# KiCad board led_mapper_850_mirrored.kicad_pcb (continued)
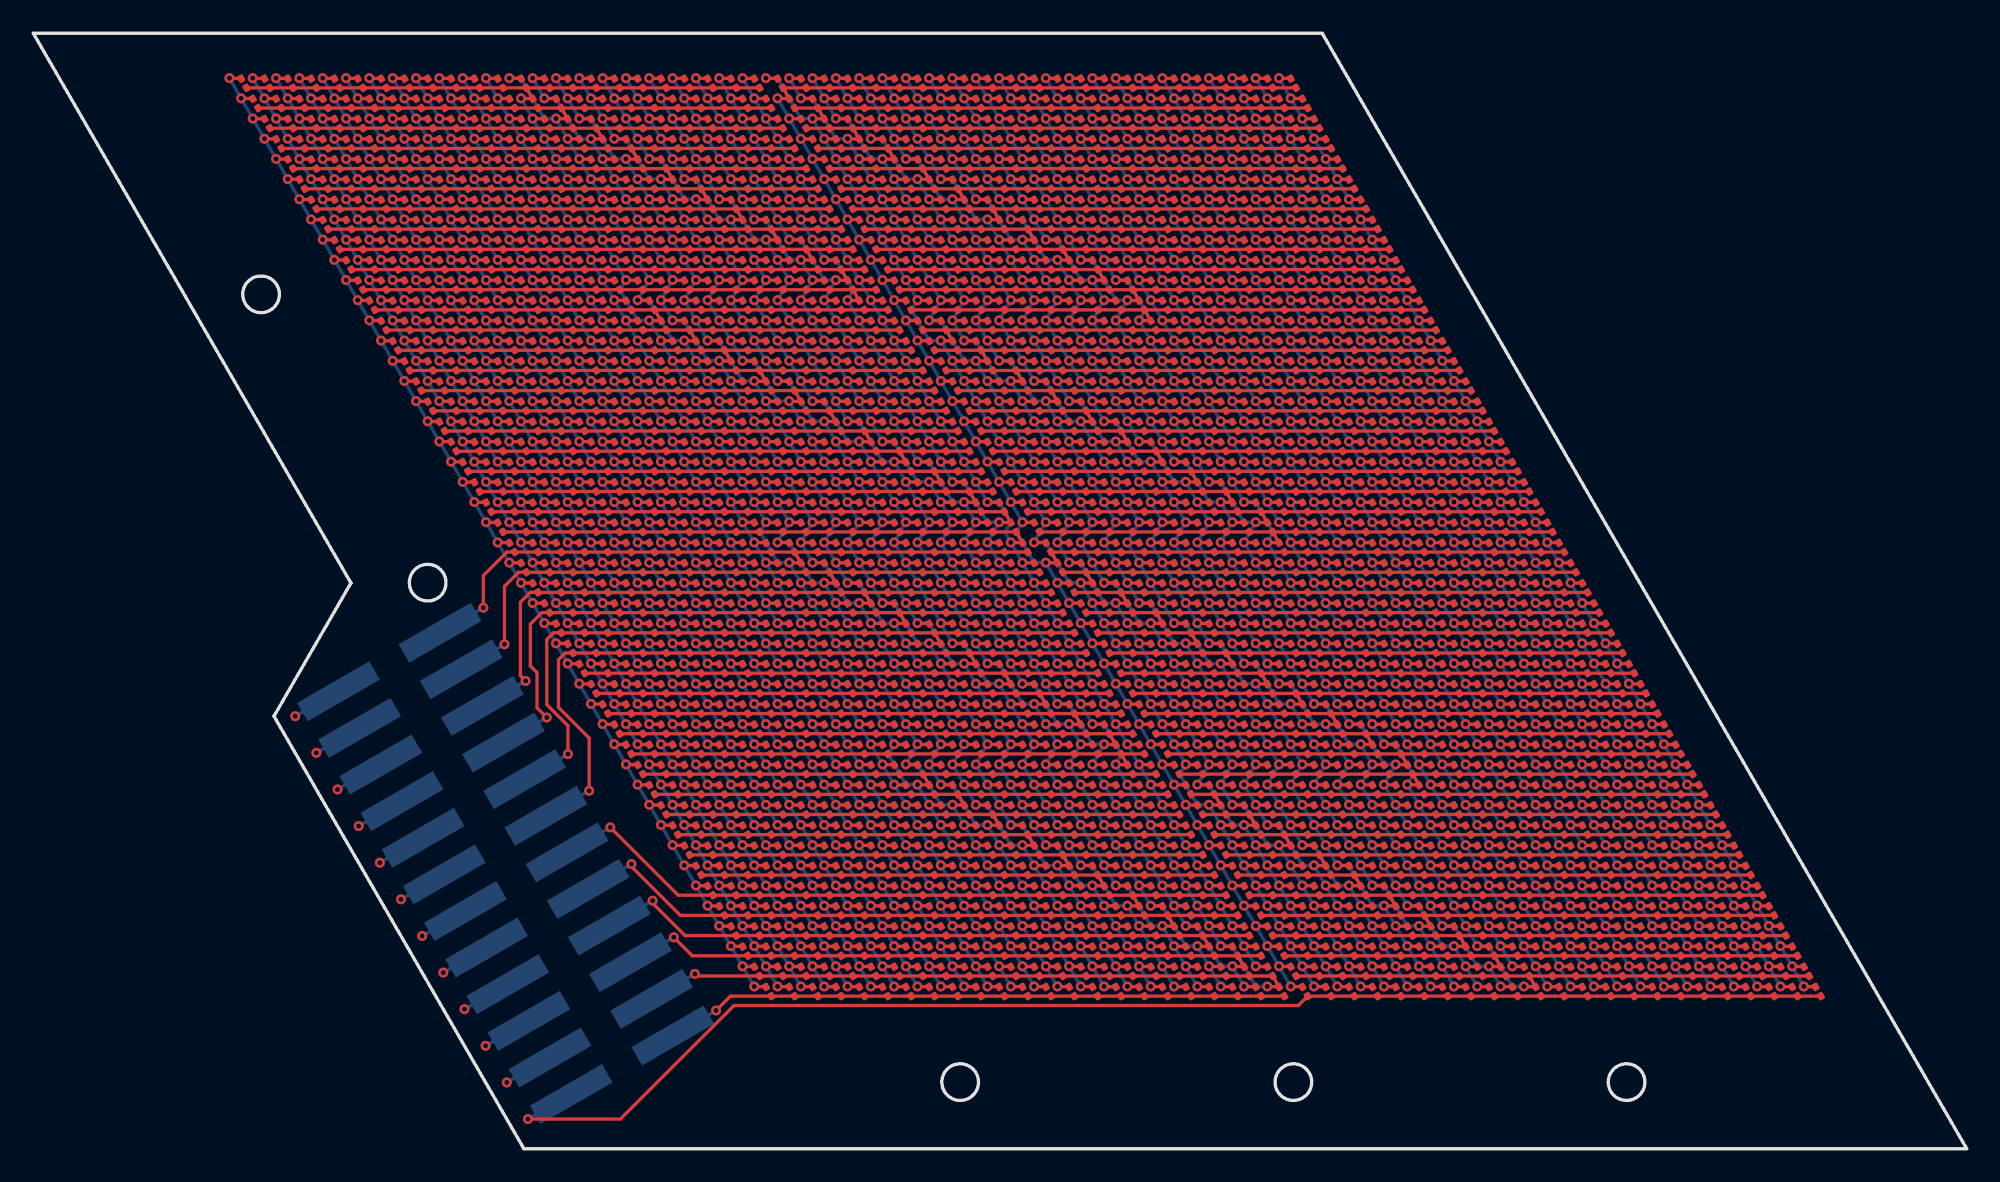
[diagram p0: board, top side]
## Routing (per net, layer and track width the routed paths; a pad name or vN(x,y) marks a point on that pad's centre or on a via; arc(x,y) is an arc through that point) (continued)
  In2.Cu w0.2: v1(57.27,36.42) 57.62,37.03 89.12,37.03 v1(89.47,36.42)
  Bottom w0.2: v1(41.17,64.31) v1(47.47,53.39) 48.17,53.39 49.22,51.58 v1(48.87,50.97) v1(55.17,40.06) 55.87,40.06 57.27,37.63 v1(57.97,37.63) v1(57.27,36.42) v1(63.57,25.51) 64.27,25.51 65.32,23.69 v1(64.97,23.08) v1(71.27,12.17) 71.97,12.17 73.37,9.75 v1(74.07,9.75) ; J1.14 v1(39.71,10.5) ; v1(73.37,64.31) v1(104.87,9.75)
/P3: length 359.1
  Top w0.2: D1769.2 v1(101.37,13.38) ; D643.1 D597.2 v1(55.87,38.84) ; D1337.2 v1(92.27,29.15) ; D49.2 v1(72.67,63.09) ; D3.2 v1(71.97,64.31) ; D1291.2 v1(91.57,30.36) ; D1884.2 v1(67.07,17.02) ; D394.2 v1(45.37,54.61) ; D95.2 v1(73.37,61.88) ; D1383.2 v1(92.97,27.93) ; D2114.2 v1(63.57,23.08) ; D1677.2 v1(102.77,10.96) ; v1(71.97,10.96) D1655.2 D1701.1 ; D2068.2 v1(64.27,21.87) ; D872.2 v1(50.27,46.12) ; D1496.1 D1518.1 ; D573.2 v1(87.37,37.63) ; D826.2 v1(50.97,44.91) ; D1702.1 D1680.1 39.55,11.59 v1(38.44,12.7) ; D187.2 v1(74.77,59.46) ; D551.2 v1(56.57,37.63) ; D1222.2 v1(57.97,32.78) ; D803.2 v1(83.87,43.69) ; D463.2 v1(78.97,52.18) ; v1(48.17,52.18) D485.2 D439.1 ; D164.2 v1(41.87,60.67) ; D1609.2 v1(72.67,9.75) ; D1429.2 v1(93.67,26.72) ; D1033.2 v1(80.37,49.76) ; D417.2 v1(78.27,53.39) ; D1953.2 v1(98.57,18.23) ; D279.2 v1(76.17,57.03) ; D849.2 v1(83.17,44.91) ; D964.2 v1(48.87,48.54) ; D895.2 v1(82.47,46.12) ; D987.2 v1(81.07,48.54) ; D1475.2 v1(94.37,25.51) ; D72.2 v1(40.47,63.09) ; D118.2 v1(41.17,61.88) ; D941.2 v1(81.77,47.33) ; D1314.2 v1(59.37,30.36) ; D1130.2 v1(56.57,35.21) ; D780.2 v1(51.67,43.69) ; D1452.2 v1(61.47,26.72) ; D438.1 D460.1 ; D1245.2 v1(90.87,31.57) ; D1056.2 v1(47.47,50.97) ; D918.2 v1(49.57,47.33) ; D711.2 v1(85.27,41.27) ; D1153.2 v1(89.47,33.99) ; D141.2 v1(74.07,60.67) ; D1268.2 v1(58.67,31.57) ; D1061.2 v1(88.07,36.42) ; D1567.2 v1(95.77,23.08) ; D302.2 v1(43.97,57.03) ; D1930.2 v1(66.37,18.23) ; D1815.2 v1(100.67,14.6) ; D1010.2 v1(48.17,49.76) ; D26.2 v1(39.77,64.31) ; D1976.2 v1(65.67,19.45) ; D1360.2 v1(60.07,29.15) ; D1907.2 v1(99.27,17.02) ; D348.2 v1(44.67,55.82) ; D1521.2 v1(95.07,24.3) ; D210.2 v1(42.57,59.46) ; D325.2 v1(76.87,55.82) ; D2045.2 v1(97.17,20.66) ; D757.2 v1(84.57,42.48) ; D622.1 D644.1 ; D1084.2 v1(55.87,36.42) ; D665.2 v1(85.97,40.06) ; D619.2 v1(86.67,38.84) ; D1838.2 v1(67.77,15.81) ; D256.2 v1(43.27,58.24) ; D1792.2 v1(68.47,14.6) ; D1746.2 v1(69.17,13.38) ; D1861.2 v1(99.97,15.81) ; D1406.2 v1(60.77,27.93) ; D371.2 v1(77.57,54.61) ; D233.2 v1(75.47,58.24) ; D688.2 v1(53.07,41.27) ; D2091.2 v1(96.47,21.87) ; D1107.2 v1(88.77,35.21) ; v1(64.27,24.3) D1543.2 D1497.1 ; D509.2 v1(79.67,50.97) ; D1723.2 v1(102.07,12.17) ; D734.2 v1(52.37,42.48) ; D1199.2 v1(90.17,32.78) ; D1176.2 v1(57.27,33.99) ; D1631.2 v1(103.47,9.75) ; D2022.2 v1(64.97,20.66) ; D1999.2 v1(97.87,19.45)
  In2.Cu w0.2: v1(56.57,37.63) 56.92,38.24 87.02,38.24 v1(87.37,37.63)
  Bottom w0.2: J1.15 v1(38.44,12.7) ; v1(71.97,64.31) v1(103.47,9.75) ; v1(39.77,64.31) v1(45.37,54.61) 46.07,54.61 47.47,52.18 v1(48.17,52.18) v1(47.47,50.97) v1(53.07,41.27) 53.77,41.27 55.17,38.84 v1(55.87,38.84) v1(56.57,37.63) v1(55.87,36.42) v1(61.47,26.72) 62.17,26.72 63.57,24.3 v1(64.27,24.3) v1(63.57,23.08) v1(69.17,13.38) 69.87,13.38 71.27,10.96 v1(71.97,10.96) v1(72.67,9.75)
/P4: length 360.1
  Top w0.2: v1(69.87,12.17) D1700.2 D1746.1 ; D1791.2 v1(67.07,14.6) ; D802.2 v1(82.47,43.69) ; D779.2 v1(50.27,43.69) ; D894.2 v1(81.07,46.12) ; D572.2 v1(85.97,37.63) ; D1450.1 D1472.1 ; D825.2 v1(49.57,44.91) ; D1177.2 v1(55.87,33.99) ; D940.2 v1(80.37,47.33) ; D1975.2 v1(64.27,19.45) ; v1(37.17,14.9) 37.17,14.75 39.12,12.8 D1726.1 D1748.1 ; D1768.2 v1(99.97,13.38) ; D2113.2 v1(62.17,23.08) ; D917.2 v1(48.17,47.33) ; D326.2 v1(75.47,55.82) ; D1009.2 v1(46.77,49.76) ; D1085.2 v1(54.47,36.42) ; D1154.2 v1(88.07,33.99) ; D1384.2 v1(91.57,27.93) ; D303.2 v1(42.57,57.03) ; D1200.2 v1(88.77,32.78) ; D50.2 v1(71.27,63.09) ; D1055.2 v1(46.07,50.97) ; D188.2 v1(73.37,59.46) ; D486.2 v1(46.77,52.18) ; D1998.2 v1(96.47,19.45) ; D73.2 v1(39.07,63.09) ; D257.2 v1(41.87,58.24) ; D1544.2 v1(62.87,24.3) ; D963.2 v1(47.47,48.54) ; D234.2 v1(74.07,58.24) ; D1568.2 v1(94.37,23.08) ; D733.2 v1(50.97,42.48) ; D1338.2 v1(90.87,29.15) ; v1(46.07,53.39) D440.2 D394.1 ; D27.2 v1(38.37,64.31) ; D418.2 v1(76.87,53.39) ; v1(53.77,40.06) D642.2 D688.1 ; D710.2 v1(83.87,41.27) ; D4.2 v1(70.57,64.31) ; D1608.2 v1(71.27,9.75) ; D165.2 v1(40.47,60.67) ; D1246.2 v1(89.47,31.57) ; D349.2 v1(43.27,55.82) ; D550.2 v1(55.17,37.63) ; D372.2 v1(76.17,54.61) ; D211.2 v1(41.17,59.46) ; D142.2 v1(72.67,60.67) ; D96.2 v1(71.97,61.88) ; D1108.2 v1(87.37,35.21) ; D1476.2 v1(92.97,25.51) ; D1522.2 v1(93.67,24.3) ; D756.2 v1(83.17,42.48) ; D1906.2 v1(97.87,17.02) ; D1452.1 D1498.2 v1(62.17,25.51) ; D664.2 v1(84.57,40.06) ; D1630.2 v1(102.07,9.75) ; D2021.2 v1(63.57,20.66) ; D618.2 v1(85.27,38.84) ; D668.1 D690.1 ; D1929.2 v1(64.97,18.23) ; D1131.2 v1(55.17,35.21) ; D1032.2 v1(78.97,49.76) ; D1676.2 v1(101.37,10.96) ; D1860.2 v1(98.57,15.81) ; D464.2 v1(77.57,52.18) ; D119.2 v1(39.77,61.88) ; D871.2 v1(48.87,46.12) ; D1722.2 v1(100.67,12.17) ; D1407.2 v1(59.37,27.93) ; D1292.2 v1(90.17,30.36) ; D2044.2 v1(95.77,20.66) ; D1654.2 v1(70.57,10.96) ; D392.1 D414.1 ; D1223.2 v1(56.57,32.78) ; D986.2 v1(79.67,48.54) ; D1269.2 v1(57.27,31.57) ; D596.2 v1(54.47,38.84) ; D1361.2 v1(58.67,29.15) ; D2090.2 v1(95.07,21.87) ; D1883.2 v1(65.67,17.02) ; D1814.2 v1(99.27,14.6) ; D1062.2 v1(86.67,36.42) ; D510.2 v1(78.27,50.97) ; D280.2 v1(74.77,57.03) ; D1315.2 v1(57.97,30.36) ; D1952.2 v1(97.17,18.23) ; D848.2 v1(81.77,44.91) ; D1430.2 v1(92.27,26.72) ; D2067.2 v1(62.87,21.87) ; D1837.2 v1(66.37,15.81)
  In2.Cu w0.2: v1(85.27,38.84) 84.92,39.45 54.82,39.45 v1(54.47,38.84)
  Bottom w0.2: v1(70.57,64.31) v1(102.07,9.75) ; v1(38.37,64.31) v1(43.27,55.82) 43.97,55.82 45.37,53.39 v1(46.07,53.39) v1(46.77,52.18) v1(46.07,50.97) v1(50.97,42.48) 51.67,42.48 53.07,40.06 v1(53.77,40.06) v1(55.17,37.63) v1(54.47,36.42) v1(59.37,27.93) 60.07,27.93 61.47,25.51 v1(62.17,25.51) v1(62.87,24.3) v1(62.17,23.08) v1(67.07,14.6) 67.77,14.6 69.17,12.17 v1(69.87,12.17) v1(71.27,9.75) ; J1.16 v1(37.17,14.9)
/P5: length 361.1
  Top w0.2: D2043.2 v1(94.37,20.66) ; D1224.2 v1(55.17,32.78) ; D346.1 D368.1 ; D962.2 v1(46.07,48.54) ; D1008.2 v1(45.37,49.76) ; D1523.2 v1(92.27,24.3) ; D663.2 v1(83.17,40.06) ; D2066.2 v1(61.47,21.87) ; D1054.2 v1(44.67,50.97) ; D1791.1 D1745.2 v1(67.77,13.38) ; D847.2 v1(80.37,44.91) ; D1836.2 v1(64.97,15.81) ; D1629.2 v1(100.67,9.75) ; D2089.2 v1(93.67,21.87) ; D1155.2 v1(86.67,33.99) ; D258.2 v1(40.47,58.24) ; D1132.2 v1(53.77,35.21) ; D1545.2 v1(61.47,24.3) ; D985.2 v1(78.27,48.54) ; D549.2 v1(53.77,37.63) ; D143.2 v1(71.27,60.67) ; D1859.2 v1(97.17,15.81) ; D1767.2 v1(98.57,13.38) ; D212.2 v1(39.77,59.46) ; D28.2 v1(36.97,64.31) ; D281.2 v1(73.37,57.03) ; D755.2 v1(81.77,42.48) ; D1974.2 v1(62.87,19.45) ; D1928.2 v1(63.57,18.23) ; v1(43.97,54.61) D395.2 D349.1 ; D465.2 v1(76.17,52.18) ; D1316.2 v1(56.57,30.36) ; v1(35.9,17.1) 35.9,16.95 38.84,14.01 D1772.1 D1794.1 ; D1499.2 v1(60.77,25.51) ; D441.2 v1(44.67,53.39) ; D1721.2 v1(99.27,12.17) ; D1477.2 v1(91.57,25.51) ; D304.2 v1(41.17,57.03) ; D1385.2 v1(90.17,27.93) ; D166.2 v1(39.07,60.67) ; D1247.2 v1(88.07,31.57) ; D1431.2 v1(90.87,26.72) ; D120.2 v1(38.37,61.88) ; v1(60.07,26.72) D1453.2 D1407.1 ; D2020.2 v1(62.17,20.66) ; v1(51.67,41.27) D687.2 D733.1 ; D1270.2 v1(55.87,31.57) ; D617.2 v1(83.87,38.84) ; D870.2 v1(47.47,46.12) ; D1905.2 v1(96.47,17.02) ; D1339.2 v1(89.47,29.15) ; D1607.2 v1(69.87,9.75) ; D419.2 v1(75.47,53.39) ; D5.2 v1(69.17,64.31) ; D641.2 v1(52.37,40.06) ; D1293.2 v1(88.77,30.36) ; D801.2 v1(81.07,43.69) ; D511.2 v1(76.87,50.97) ; D939.2 v1(78.97,47.33) ; D327.2 v1(74.07,55.82) ; D235.2 v1(72.67,58.24) ; D893.2 v1(79.67,46.12) ; D1813.2 v1(97.87,14.6) ; D1699.2 v1(68.47,12.17) ; D1882.2 v1(64.27,17.02) ; D1675.2 v1(99.97,10.96) ; D1653.2 v1(69.17,10.96) ; D916.2 v1(46.77,47.33) ; D2112.2 v1(60.77,23.08) ; D709.2 v1(82.47,41.27) ; D74.2 v1(37.67,63.09) ; D1362.2 v1(57.27,29.15) ; D1063.2 v1(85.27,36.42) ; D97.2 v1(70.57,61.88) ; D189.2 v1(71.97,59.46) ; D1178.2 v1(54.47,33.99) ; D1997.2 v1(95.07,19.45) ; D824.2 v1(48.17,44.91) ; D1569.2 v1(92.97,23.08) ; D373.2 v1(74.77,54.61) ; D1201.2 v1(87.37,32.78) ; D51.2 v1(69.87,63.09) ; D571.2 v1(84.57,37.63) ; D595.2 v1(53.07,38.84) ; D778.2 v1(48.87,43.69) ; D1109.2 v1(85.97,35.21) ; D1031.2 v1(77.57,49.76) ; D1951.2 v1(95.77,18.23) ; D1086.2 v1(53.07,36.42) ; D714.1 D736.1 ; D487.2 v1(45.37,52.18) ; D1404.1 D1426.1
  In2.Cu w0.2: v1(83.17,40.06) 82.82,40.66 52.72,40.66 v1(52.37,40.06)
  Bottom w0.2: v1(69.17,64.31) v1(100.67,9.75) ; v1(36.97,64.31) v1(41.17,57.03) 41.87,57.03 43.27,54.61 v1(43.97,54.61) v1(45.37,52.18) v1(44.67,50.97) v1(48.87,43.69) 49.57,43.69 50.97,41.27 v1(51.67,41.27) v1(53.77,37.63) v1(53.07,36.42) v1(57.27,29.15) 57.97,29.15 59.37,26.72 v1(60.07,26.72) v1(61.47,24.3) v1(60.77,23.08) v1(64.97,15.81) 65.67,15.81 67.07,13.38 v1(67.77,13.38) v1(69.87,9.75) ; J1.17 v1(35.9,17.1)
/P6: length 362
  Top w0.2: D1110.2 v1(84.57,35.21) ; D121.2 v1(36.97,61.88) ; D778.1 D732.2 v1(49.57,42.48) ; D708.2 v1(81.07,41.27) ; D374.2 v1(73.37,54.61) ; D869.2 v1(46.07,46.12) ; D938.2 v1(77.57,47.33) ; D662.2 v1(81.77,40.06) ; D1996.2 v1(93.67,19.45) ; D512.2 v1(75.47,50.97) ; D1225.2 v1(53.77,32.78) ; D304.1 D350.2 v1(41.87,55.82) ; D420.2 v1(74.07,53.39) ; D1927.2 v1(62.17,18.23) ; D1030.2 v1(76.17,49.76) ; D1973.2 v1(61.47,19.45) ; D1064.2 v1(83.87,36.42) ; v1(65.67,14.6) D1790.2 D1836.1 ; D823.2 v1(46.77,44.91) ; D594.2 v1(51.67,38.84) ; D1652.2 v1(67.77,10.96) ; D1478.2 v1(90.17,25.51) ; D1294.2 v1(87.37,30.36) ; D1156.2 v1(85.27,33.99) ; D1500.2 v1(59.37,25.51) ; D442.2 v1(43.27,53.39) ; D754.2 v1(80.37,42.48) ; D1524.2 v1(90.87,24.3) ; D961.2 v1(44.67,48.54) ; D800.2 v1(79.67,43.69) ; D1432.2 v1(89.47,26.72) ; D328.2 v1(72.67,55.82) ; D488.2 v1(43.97,52.18) ; D1087.2 v1(51.67,36.42) ; D466.2 v1(74.77,52.18) ; D282.2 v1(71.97,57.03) ; D1546.2 v1(60.07,24.3) ; D1720.2 v1(97.87,12.17) ; D892.2 v1(78.27,46.12) ; D1271.2 v1(54.47,31.57) ; D1840.1 D1818.1 38.71,15.23 v1(34.63,19.3) ; D236.2 v1(71.27,58.24) ; D1362.1 D1408.2 v1(57.97,27.93) ; D75.2 v1(36.27,63.09) ; D167.2 v1(37.67,60.67) ; D1628.2 v1(99.27,9.75) ; D1570.2 v1(91.57,23.08) ; D144.2 v1(69.87,60.67) ; D52.2 v1(68.47,63.09) ; D98.2 v1(69.17,61.88) ; D1454.2 v1(58.67,26.72) ; D2065.2 v1(60.07,21.87) ; D1133.2 v1(52.37,35.21) ; D2111.2 v1(59.37,23.08) ; D29.2 v1(35.57,64.31) ; D1053.2 v1(43.27,50.97) ; D1606.2 v1(68.47,9.75) ; D915.2 v1(45.37,47.33) ; D2019.2 v1(60.77,20.66) ; D190.2 v1(70.57,59.46) ; D1950.2 v1(94.37,18.23) ; D1179.2 v1(53.07,33.99) ; D846.2 v1(78.97,44.91) ; D616.2 v1(82.47,38.84) ; D1386.2 v1(88.77,27.93) ; D1202.2 v1(85.97,32.78) ; D984.2 v1(76.87,48.54) ; D570.2 v1(83.17,37.63) ; D300.1 D322.1 ; D1904.2 v1(95.07,17.02) ; D1358.1 D1380.1 ; D760.1 D782.1 ; D640.2 v1(50.97,40.06) ; D1766.2 v1(97.17,13.38) ; D686.2 v1(50.27,41.27) ; D1858.2 v1(95.77,15.81) ; D1881.2 v1(62.87,17.02) ; D1698.2 v1(67.07,12.17) ; D1674.2 v1(98.57,10.96) ; D6.2 v1(67.77,64.31) ; D1317.2 v1(55.17,30.36) ; D1812.2 v1(96.47,14.6) ; D548.2 v1(52.37,37.63) ; D1248.2 v1(86.67,31.57) ; D1744.2 v1(66.37,13.38) ; D2042.2 v1(92.97,20.66) ; D1340.2 v1(88.07,29.15) ; D1007.2 v1(43.97,49.76) ; D259.2 v1(39.07,58.24) ; D396.2 v1(42.57,54.61) ; D2088.2 v1(92.27,21.87) ; D213.2 v1(38.37,59.46)
  In2.Cu w0.2: v1(50.27,41.27) 50.62,41.88 80.72,41.88 v1(81.07,41.27)
  Bottom w0.2: J1.18 v1(34.63,19.3) ; v1(67.77,64.31) v1(99.27,9.75) ; v1(35.57,64.31) v1(39.07,58.24) 39.77,58.24 41.17,55.82 v1(41.87,55.82) v1(43.97,52.18) v1(43.27,50.97) v1(46.77,44.91) 47.47,44.91 48.87,42.48 v1(49.57,42.48) v1(52.37,37.63) v1(51.67,36.42) v1(55.17,30.36) 55.87,30.36 57.27,27.93 v1(57.97,27.93) v1(60.07,24.3) v1(59.37,23.08) v1(62.87,17.02) 63.57,17.02 64.97,14.6 v1(65.67,14.6) v1(68.47,9.75)
/P7: length 363.8
  Top w0.2: D1697.2 v1(65.67,12.17) ; D937.2 v1(76.17,47.33) ; D1295.2 v1(85.97,30.36) ; D1995.2 v1(92.27,19.45) ; D1088.2 v1(50.27,36.42) ; D1789.2 v1(64.27,14.6) ; D1651.2 v1(66.37,10.96) ; D1249.2 v1(85.27,31.57) ; D145.2 v1(68.47,60.67) ; D397.2 v1(41.17,54.61) ; D1811.2 v1(95.07,14.6) ; D806.1 D828.1 ; D1571.2 v1(90.17,23.08) ; D1312.1 D1334.1 31.92,29.77 31.52,29.37 31.52,26.51 33.36,24.67 v1(33.36,21.5) ; D1673.2 v1(97.17,10.96) ; D1972.2 v1(60.07,19.45) ; D1111.2 v1(83.17,35.21) ; D214.2 v1(36.97,59.46) ; D960.2 v1(43.27,48.54) ; D845.2 v1(77.57,44.91) ; D1881.1 D1835.2 v1(63.57,15.81) ; D914.2 v1(43.97,47.33) ; D168.2 v1(36.27,60.67) ; D2041.2 v1(91.57,20.66) ; D259.1 D305.2 v1(39.77,57.03) ; D99.2 v1(67.77,61.88) ; D329.2 v1(71.27,55.82) ; D1926.2 v1(60.77,18.23) ; D615.2 v1(81.07,38.84) ; D1065.2 v1(82.47,36.42) ; D1387.2 v1(87.37,27.93) ; D983.2 v1(75.47,48.54) ; D122.2 v1(35.57,61.88) ; D489.2 v1(42.57,52.18) ; D1605.2 v1(67.07,9.75) ; D375.2 v1(71.97,54.61) ; v1(47.47,43.69) D777.2 D823.1 ; D1006.2 v1(42.57,49.76) ; v1(55.87,29.15) D1363.2 D1317.1 ; D2110.2 v1(57.97,23.08) ; D254.1 D276.1 ; D1903.2 v1(93.67,17.02) ; D1547.2 v1(58.67,24.3) ; D191.2 v1(69.17,59.46) ; D1029.2 v1(74.77,49.76) ; D1479.2 v1(88.77,25.51) ; D1455.2 v1(57.27,26.72) ; D513.2 v1(74.07,50.97) ; D1765.2 v1(95.77,13.38) ; D421.2 v1(72.67,53.39) ; D547.2 v1(50.97,37.63) ; D2018.2 v1(59.37,20.66) ; D868.2 v1(44.67,46.12) ; D76.2 v1(34.87,63.09) ; D1052.2 v1(41.87,50.97) ; D753.2 v1(78.97,42.48) ; D1226.2 v1(52.37,32.78) ; D799.2 v1(78.27,43.69) ; D685.2 v1(48.87,41.27) ; D53.2 v1(67.07,63.09) ; D661.2 v1(80.37,40.06) ; D1864.1 D1886.1 ; D1157.2 v1(83.87,33.99) ; D1272.2 v1(53.07,31.57) ; D1525.2 v1(89.47,24.3) ; D1857.2 v1(94.37,15.81) ; D707.2 v1(79.67,41.27) ; D1949.2 v1(92.97,18.23) ; D569.2 v1(81.77,37.63) ; D1743.2 v1(64.97,13.38) ; D1409.2 v1(56.57,27.93) ; D1627.2 v1(97.87,9.75) ; D443.2 v1(41.87,53.39) ; D1134.2 v1(50.97,35.21) ; D2087.2 v1(90.87,21.87) ; D1433.2 v1(88.07,26.72) ; D593.2 v1(50.27,38.84) ; D891.2 v1(76.87,46.12) ; D1180.2 v1(51.67,33.99) ; D1501.2 v1(57.97,25.51) ; D2064.2 v1(58.67,21.87) ; D639.2 v1(49.57,40.06) ; D283.2 v1(70.57,57.03) ; D351.2 v1(40.47,55.82) ; D1203.2 v1(84.57,32.78) ; D731.2 v1(48.17,42.48) ; D1341.2 v1(86.67,29.15) ; D467.2 v1(73.37,52.18) ; D237.2 v1(69.87,58.24) ; D30.2 v1(34.17,64.31) ; D1719.2 v1(96.47,12.17) ; D7.2 v1(66.37,64.31)
  In2.Cu w0.2: v1(78.97,42.48) 78.62,43.09 48.52,43.09 v1(48.17,42.48)
  Bottom w0.2: v1(66.37,64.31) v1(97.87,9.75) ; v1(67.07,9.75) v1(63.57,15.81) 62.87,15.81 61.47,18.23 v1(60.77,18.23) v1(57.97,23.08) v1(58.67,24.3) v1(55.87,29.15) 55.17,29.15 53.77,31.57 v1(53.07,31.57) v1(50.27,36.42) v1(50.97,37.63) v1(47.47,43.69) 46.77,43.69 45.37,46.12 v1(44.67,46.12) v1(41.87,50.97) v1(42.57,52.18) v1(39.77,57.03) 39.07,57.03 37.67,59.46 v1(36.97,59.46) v1(34.17,64.31) ; J1.19 v1(33.36,21.5)
/P8: length 362.6
  Top w0.2: D1788.2 v1(62.87,14.6) ; D844.2 v1(76.17,44.91) ; D2040.2 v1(90.17,20.66) ; D1005.2 v1(41.17,49.76) ; D146.2 v1(67.07,60.67) ; D660.2 v1(78.97,40.06) ; D1856.2 v1(92.97,15.81) ; D1181.2 v1(50.27,33.99) ; D730.2 v1(46.77,42.48) ; D214.1 D260.2 v1(37.67,58.24) ; D1028.2 v1(73.37,49.76) ; D1266.1 D1288.1 31.22,30.99 30.82,30.59 30.82,26.68 32.09,25.41 v1(32.09,23.7) ; D1112.2 v1(81.77,35.21) ; D1810.2 v1(93.67,14.6) ; D1502.2 v1(56.57,25.51) ; D490.2 v1(41.17,52.18) ; D1834.2 v1(62.17,15.81) ; D868.1 D822.2 v1(45.37,44.91) ; D238.2 v1(68.47,58.24) ; D306.2 v1(38.37,57.03) ; D936.2 v1(74.77,47.33) ; D1764.2 v1(94.37,13.38) ; D2063.2 v1(57.27,21.87) ; D684.2 v1(47.47,41.27) ; D123.2 v1(34.17,61.88) ; D1742.2 v1(63.57,13.38) ; D2017.2 v1(57.97,20.66) ; v1(61.47,17.02) D1880.2 D1926.1 ; v1(53.77,30.36) D1318.2 D1272.1 ; D1948.2 v1(91.57,18.23) ; D1456.2 v1(55.87,26.72) ; D752.2 v1(77.57,42.48) ; D546.2 v1(49.57,37.63) ; D1388.2 v1(85.97,27.93) ; D31.2 v1(32.77,64.31) ; D1342.2 v1(85.27,29.15) ; D514.2 v1(72.67,50.97) ; D100.2 v1(66.37,61.88) ; D1227.2 v1(50.97,32.78) ; D913.2 v1(42.57,47.33) ; D208.1 D230.1 ; D1364.2 v1(54.47,29.15) ; D706.2 v1(78.27,41.27) ; D1089.2 v1(48.87,36.42) ; D1971.2 v1(58.67,19.45) ; D330.2 v1(69.87,55.82) ; D982.2 v1(74.07,48.54) ; D77.2 v1(33.47,63.09) ; D1672.2 v1(95.77,10.96) ; D638.2 v1(48.17,40.06) ; D798.2 v1(76.87,43.69) ; D376.2 v1(70.57,54.61) ; D1572.2 v1(88.77,23.08) ; D1626.2 v1(96.47,9.75) ; D1718.2 v1(95.07,12.17) ; D1296.2 v1(84.57,30.36) ; D1548.2 v1(57.27,24.3) ; D1158.2 v1(82.47,33.99) ; D1526.2 v1(88.07,24.3) ; D468.2 v1(71.97,52.18) ; D352.2 v1(39.07,55.82) ; D776.2 v1(46.07,43.69) ; D1902.2 v1(92.27,17.02) ; D1480.2 v1(87.37,25.51) ; D54.2 v1(65.67,63.09) ; D1696.2 v1(64.27,12.17) ; D568.2 v1(80.37,37.63) ; D2109.2 v1(56.57,23.08) ; D1604.2 v1(65.67,9.75) ; D852.1 D874.1 ; D1910.1 D1932.1 ; D1066.2 v1(81.07,36.42) ; D890.2 v1(75.47,46.12) ; D444.2 v1(40.47,53.39) ; D169.2 v1(34.87,60.67) ; D398.2 v1(39.77,54.61) ; D614.2 v1(79.67,38.84) ; D1135.2 v1(49.57,35.21) ; D1434.2 v1(86.67,26.72) ; D1650.2 v1(64.97,10.96) ; D1410.2 v1(55.17,27.93) ; D1204.2 v1(83.17,32.78) ; D192.2 v1(67.77,59.46) ; D1051.2 v1(40.47,50.97) ; D2086.2 v1(89.47,21.87) ; D422.2 v1(71.27,53.39) ; D959.2 v1(41.87,48.54) ; D592.2 v1(48.87,38.84) ; D284.2 v1(69.17,57.03) ; D8.2 v1(64.97,64.31) ; D1250.2 v1(83.87,31.57) ; D1994.2 v1(90.87,19.45)
  In2.Cu w0.2: v1(46.07,43.69) 46.42,44.3 76.52,44.3 v1(76.87,43.69)
  Bottom w0.2: v1(64.97,64.31) v1(96.47,9.75) ; v1(65.67,9.75) v1(61.47,17.02) 60.77,17.02 59.37,19.45 v1(58.67,19.45) v1(56.57,23.08) v1(57.27,24.3) v1(53.77,30.36) 53.07,30.36 51.67,32.78 v1(50.97,32.78) v1(48.87,36.42) v1(49.57,37.63) v1(45.37,44.91) 44.67,44.91 43.27,47.33 v1(42.57,47.33) v1(40.47,50.97) v1(41.17,52.18) v1(37.67,58.24) 36.97,58.24 35.57,60.67 v1(34.87,60.67) v1(32.77,64.31) ; J1.20 v1(32.09,23.7)
/P9: length 361.6
  Top w0.2: D1649.2 v1(63.57,10.96) ; D889.2 v1(74.07,46.12) ; D1527.2 v1(86.67,24.3) ; D399.2 v1(38.37,54.61) ; D423.2 v1(69.87,53.39) ; D261.2 v1(36.27,58.24) ; D1833.2 v1(60.77,15.81) ; D1457.2 v1(54.47,26.72) ; D469.2 v1(70.57,52.18) ; D1205.2 v1(81.77,32.78) ; D843.2 v1(74.77,44.91) ; D1763.2 v1(92.97,13.38) ; D1067.2 v1(79.67,36.42) ; D1027.2 v1(71.97,49.76) ; v1(35.57,59.46) D215.2 D169.1 ; D659.2 v1(77.57,40.06) ; D2039.2 v1(88.77,20.66) ; D239.2 v1(67.07,58.24) ; D1389.2 v1(84.57,27.93) ; D683.2 v1(46.07,41.27) ; v1(59.37,18.23) D1925.2 D1971.1 ; D775.2 v1(44.67,43.69) ; D1503.2 v1(55.17,25.51) ; D1809.2 v1(92.27,14.6) ; D162.1 D184.1 ; D591.2 v1(47.47,38.84) ; D958.2 v1(40.47,48.54) ; D1343.2 v1(83.87,29.15) ; D9.2 v1(63.57,64.31) ; D353.2 v1(37.67,55.82) ; D2062.2 v1(55.87,21.87) ; D1481.2 v1(85.97,25.51) ; D935.2 v1(73.37,47.33) ; D193.2 v1(66.37,59.46) ; D1159.2 v1(81.07,33.99) ; D898.1 D920.1 ; D1050.2 v1(39.07,50.97) ; D445.2 v1(39.07,53.39) ; D913.1 D867.2 v1(43.27,46.12) ; D1993.2 v1(89.47,19.45) ; D1855.2 v1(91.57,15.81) ; D821.2 v1(43.97,44.91) ; D1695.2 v1(62.87,12.17) ; D1625.2 v1(95.07,9.75) ; D1435.2 v1(85.27,26.72) ; D1365.2 v1(53.07,29.15) ; D1113.2 v1(80.37,35.21) ; D331.2 v1(68.47,55.82) ; D751.2 v1(76.17,42.48) ; D491.2 v1(39.77,52.18) ; D1136.2 v1(48.17,35.21) ; D55.2 v1(64.27,63.09) ; D797.2 v1(75.47,43.69) ; D1901.2 v1(90.87,17.02) ; D2016.2 v1(56.57,20.66) ; D567.2 v1(78.97,37.63) ; D1297.2 v1(83.17,30.36) ; D1251.2 v1(82.47,31.57) ; D637.2 v1(46.77,40.06) ; D2085.2 v1(88.07,21.87) ; D101.2 v1(64.97,61.88) ; D1182.2 v1(48.87,33.99) ; D78.2 v1(32.07,63.09) ; D1603.2 v1(64.27,9.75) ; D147.2 v1(65.67,60.67) ; D1717.2 v1(93.67,12.17) ; D1090.2 v1(47.47,36.42) ; D1549.2 v1(55.87,24.3) ; D729.2 v1(45.37,42.48) ; D124.2 v1(32.77,61.88) ; D1004.2 v1(39.77,49.76) ; D32.2 v1(31.37,64.31) ; v1(30.82,25.9) 30.23,26.49 30.23,28.6 29.83,29 29.83,31.51 30.52,32.2 D1242.1 D1220.1 ; D1947.2 v1(90.17,18.23) ; D1573.2 v1(87.37,23.08) ; D377.2 v1(69.17,54.61) ; D981.2 v1(72.67,48.54) ; D545.2 v1(48.17,37.63) ; D307.2 v1(36.97,57.03) ; D1671.2 v1(94.37,10.96) ; D1411.2 v1(53.77,27.93) ; D1319.2 v1(52.37,30.36) ; D2108.2 v1(55.17,23.08) ; D515.2 v1(71.27,50.97) ; D1879.2 v1(60.07,17.02) ; D1227.1 D1273.2 v1(51.67,31.57) ; D705.2 v1(76.87,41.27) ; D1787.2 v1(61.47,14.6) ; D613.2 v1(78.27,38.84) ; D285.2 v1(67.77,57.03) ; D1741.2 v1(62.17,13.38) ; D1956.1 D1978.1
  In2.Cu w0.2: v1(43.97,44.91) 44.32,45.51 74.42,45.51 v1(74.77,44.91)
  Bottom w0.2: v1(31.37,64.31) v1(32.77,61.88) 33.47,61.88 34.87,59.46 v1(35.57,59.46) v1(39.77,52.18) v1(39.07,50.97) v1(40.47,48.54) 41.17,48.54 42.57,46.12 v1(43.27,46.12) v1(48.17,37.63) v1(47.47,36.42) v1(48.87,33.99) 49.57,33.99 50.97,31.57 v1(51.67,31.57) v1(55.87,24.3) v1(55.17,23.08) v1(56.57,20.66) 57.27,20.66 58.67,18.23 v1(59.37,18.23) v1(64.27,9.75) ; J1.21 v1(30.82,25.9) ; v1(63.57,64.31) v1(95.07,9.75)
/P10: length 360.3
  Top w0.2: D79.2 v1(30.67,63.09) ; D1900.2 v1(89.47,17.02) ; D116.1 D138.1 ; D1740.2 v1(60.77,13.38) ; D378.2 v1(67.77,54.61) ; D1206.2 v1(80.37,32.78) ; D308.2 v1(35.57,57.03) ; D1344.2 v1(82.47,29.15) ; D544.2 v1(46.77,37.63) ; D1049.2 v1(37.67,50.97) ; v1(41.17,47.33) D912.2 D958.1 ; D516.2 v1(69.87,50.97) ; D446.2 v1(37.67,53.39) ; D1298.2 v1(81.77,30.36) ; D888.2 v1(72.67,46.12) ; D612.2 v1(76.87,38.84) ; D286.2 v1(66.37,57.03) ; D354.2 v1(36.27,55.82) ; D1808.2 v1(90.87,14.6) ; D2061.2 v1(54.47,21.87) ; D774.2 v1(43.27,43.69) ; v1(57.27,19.45) D1970.2 D2016.1 ; D1528.2 v1(85.27,24.3) ; D1458.2 v1(53.07,26.72) ; D728.2 v1(43.97,42.48) ; D424.2 v1(68.47,53.39) ; D56.2 v1(62.87,63.09) ; D1670.2 v1(92.97,10.96) ; D10.2 v1(62.17,64.31) ; v1(29.55,28.1) 29.23,28.42 29.23,32.82 29.82,33.41 D1196.1 D1174.1 ; D590.2 v1(46.07,38.84) ; D2002.1 D2024.1 ; D1854.2 v1(90.17,15.81) ; D1694.2 v1(61.47,12.17) ; D332.2 v1(67.07,55.82) ; D1832.2 v1(59.37,15.81) ; D1320.2 v1(50.97,30.36) ; D33.2 v1(29.97,64.31) ; D1068.2 v1(78.27,36.42) ; D1412.2 v1(52.37,27.93) ; D2084.2 v1(86.67,21.87) ; D1436.2 v1(83.87,26.72) ; D1114.2 v1(78.97,35.21) ; D262.2 v1(34.87,58.24) ; D1992.2 v1(88.07,19.45) ; D1602.2 v1(62.87,9.75) ; D566.2 v1(77.57,37.63) ; D1366.2 v1(51.67,29.15) ; D2038.2 v1(87.37,20.66) ; D796.2 v1(74.07,43.69) ; D944.1 D966.1 ; D1504.2 v1(53.77,25.51) ; D1648.2 v1(62.17,10.96) ; D194.2 v1(64.97,59.46) ; D704.2 v1(75.47,41.27) ; D240.2 v1(65.67,58.24) ; D1182.1 D1228.2 v1(49.57,32.78) ; D682.2 v1(44.67,41.27) ; D866.2 v1(41.87,46.12) ; D1482.2 v1(84.57,25.51) ; D1390.2 v1(83.17,27.93) ; D1574.2 v1(85.97,23.08) ; D400.2 v1(36.97,54.61) ; D1624.2 v1(93.67,9.75) ; D980.2 v1(71.27,48.54) ; D1160.2 v1(79.67,33.99) ; D1762.2 v1(91.57,13.38) ; D934.2 v1(71.97,47.33) ; D636.2 v1(45.37,40.06) ; D750.2 v1(74.77,42.48) ; D216.2 v1(34.17,59.46) ; D1252.2 v1(81.07,31.57) ; D1550.2 v1(54.47,24.3) ; D492.2 v1(38.37,52.18) ; D1946.2 v1(88.77,18.23) ; D1026.2 v1(70.57,49.76) ; D820.2 v1(42.57,44.91) ; D1274.2 v1(50.27,31.57) ; v1(33.47,60.67) D170.2 D124.1 ; D1786.2 v1(60.07,14.6) ; D842.2 v1(73.37,44.91) ; D470.2 v1(69.17,52.18) ; D1716.2 v1(92.27,12.17) ; D1091.2 v1(46.07,36.42) ; D1137.2 v1(46.77,35.21) ; D102.2 v1(63.57,61.88) ; D2107.2 v1(53.77,23.08) ; D1003.2 v1(38.37,49.76) ; D148.2 v1(64.27,60.67) ; D1878.2 v1(58.67,17.02) ; D658.2 v1(76.17,40.06) ; D1924.2 v1(57.97,18.23)
  In2.Cu w0.2: v1(72.67,46.12) 72.32,46.73 42.22,46.73 v1(41.87,46.12)
  Bottom w0.2: v1(29.97,64.31) v1(30.67,63.09) 31.37,63.09 32.77,60.67 v1(33.47,60.67) v1(38.37,52.18) v1(37.67,50.97) v1(38.37,49.76) 39.07,49.76 40.47,47.33 v1(41.17,47.33) v1(46.77,37.63) v1(46.07,36.42) v1(46.77,35.21) 47.47,35.21 48.87,32.78 v1(49.57,32.78) v1(54.47,24.3) v1(53.77,23.08) v1(54.47,21.87) 55.17,21.87 56.57,19.45 v1(57.27,19.45) v1(62.87,9.75) ; J1.22 v1(29.55,28.1) ; v1(62.17,64.31) v1(93.67,9.75)
